# Allegro board 038NC-GRIFFI-V9A_16.brd (continued)
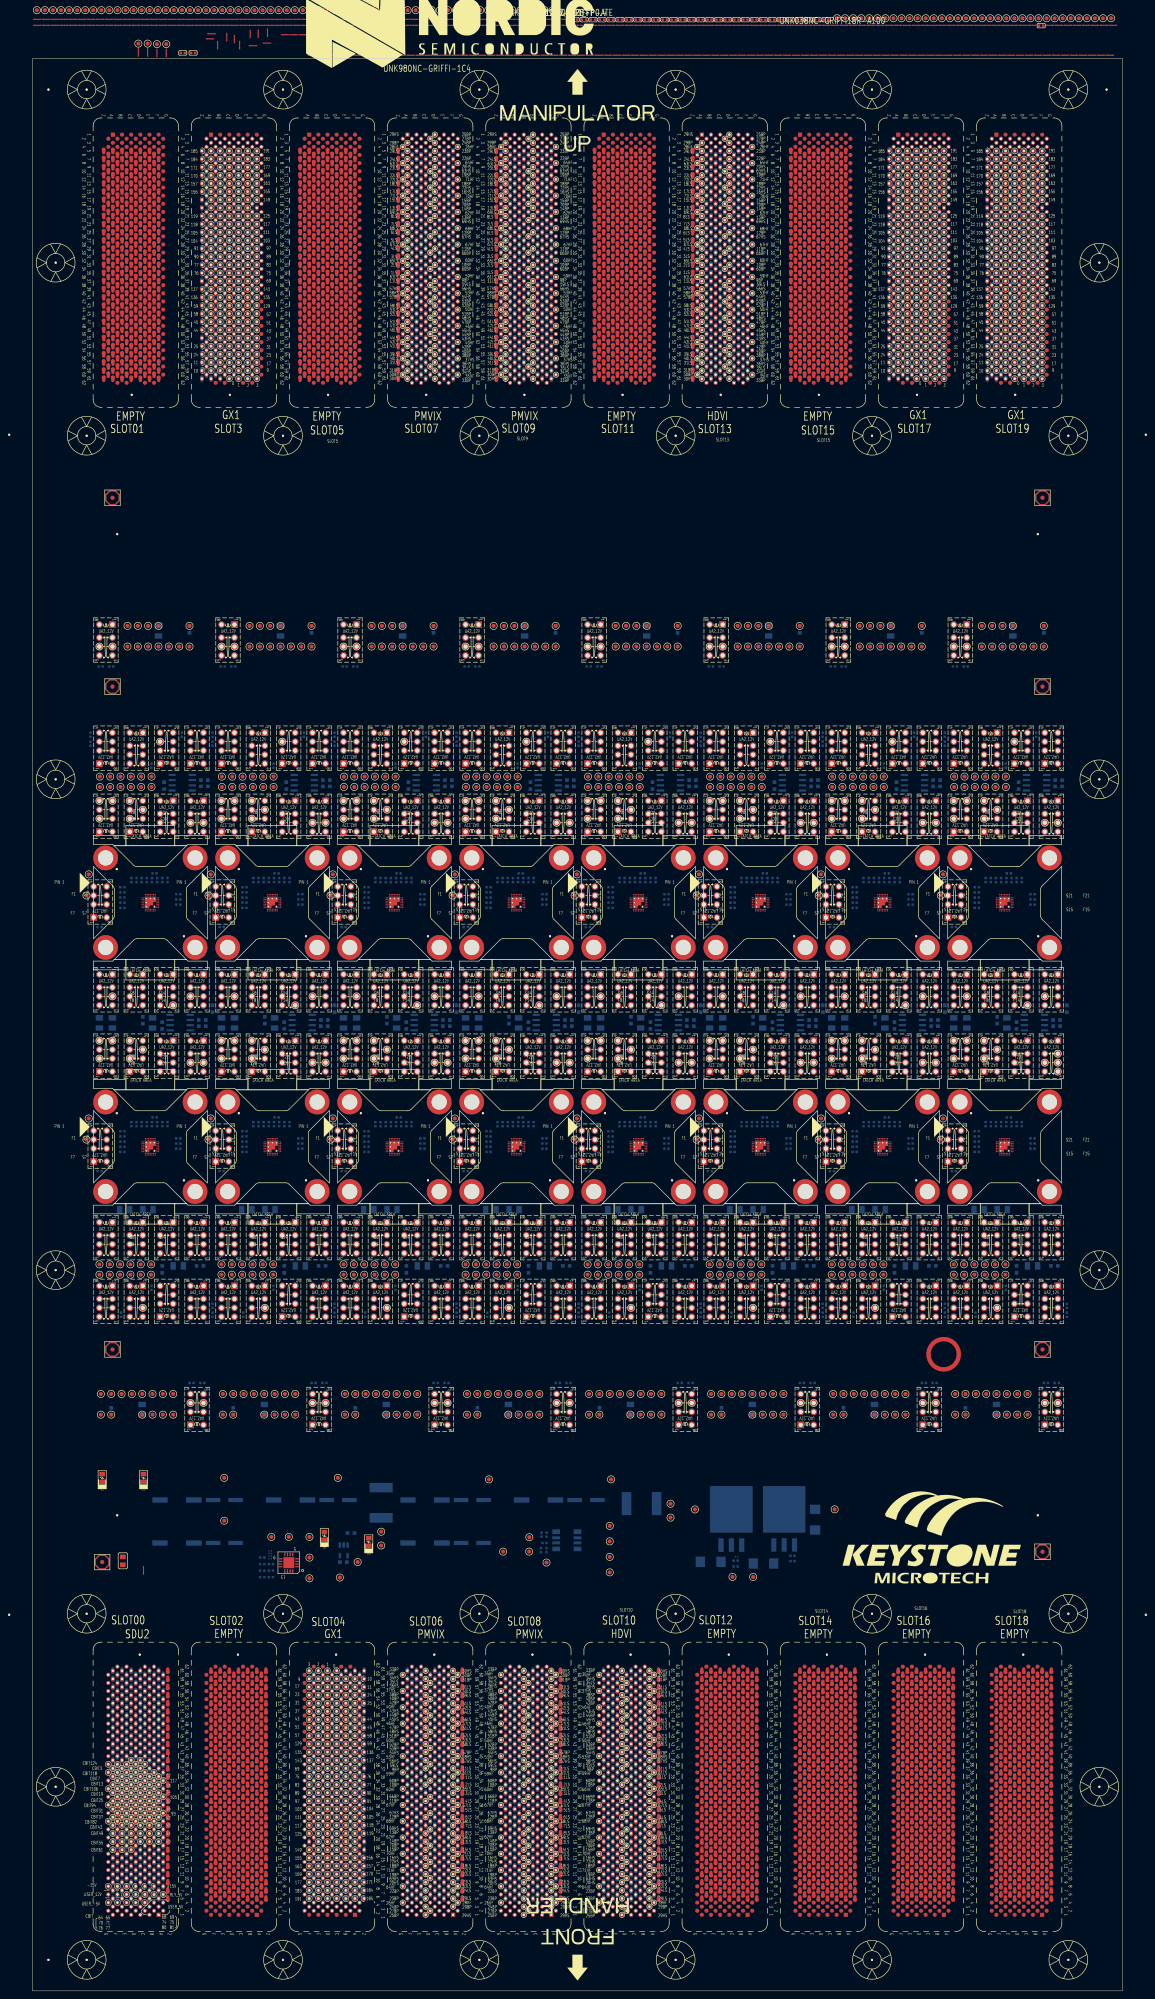
[diagram p0: board, top side]
## Nets (continued)
DGND: BD1.1 BD2.1 BR1.2 BR3.2 BR4.2 C14.1 C84.2 C85.2 C86.2 C87.2 C88.2 C89.2 C90.2 C99.2 C100.2 C101.2 C103.2 R378.2 R382.2 SITE1.EPAD1(AVSS[01]) SITE1.F3(AVSS_F[01]) SITE1.F24(PVSS_F) SITE1.G1 SITE1.G2 SITE1.G3 SITE1.G4 SITE1.G5 SITE2.EPAD1(AVSS[01]) SITE2.F3(AVSS_F[01]) SITE2.F24(PVSS_F) SITE2.G1 SITE2.G2 SITE2.G3 SITE2.G4 SITE2.G5 SITE3.EPAD1(AVSS[01]) SITE3.F3(AVSS_F[01]) SITE3.F24(PVSS_F) SITE3.G1 SITE3.G2 SITE3.G3 SITE3.G4 SITE3.G5 SITE4.EPAD1(AVSS[01]) SITE4.F3(AVSS_F[01]) SITE4.F24(PVSS_F) SITE4.G1 SITE4.G2 SITE4.G3 SITE4.G4 SITE4.G5 SITE5.EPAD1(AVSS[01]) SITE5.F3(AVSS_F[01]) SITE5.F24(PVSS_F) SITE5.G1 SITE5.G2 SITE5.G3 SITE5.G4 SITE5.G5 SITE6.EPAD1(AVSS[01]) SITE6.F3(AVSS_F[01]) SITE6.F24(PVSS_F) SITE6.G1 SITE6.G2 SITE6.G3 SITE6.G4 SITE6.G5 SITE7.EPAD1(AVSS[01]) SITE7.F3(AVSS_F[01]) SITE7.F24(PVSS_F) SITE7.G1 SITE7.G2 SITE7.G3 SITE7.G4 SITE7.G5 SITE8.EPAD1(AVSS[01]) SITE8.F3(AVSS_F[01]) SITE8.F24(PVSS_F) SITE8.G1 SITE8.G2 SITE8.G3 SITE8.G4 SITE8.G5 SITE9.EPAD1(AVSS[01]) SITE9.F3(AVSS_F[01]) SITE9.F24(PVSS_F) SITE9.G1 SITE9.G2 SITE9.G3 SITE9.G4 SITE9.G5 SITE10.EPAD1(AVSS[01]) SITE10.F3(AVSS_F[01]) SITE10.F24(PVSS_F) SITE10.G1 SITE10.G2 SITE10.G3 SITE10.G4 SITE10.G5 SITE11.EPAD1(AVSS[01]) SITE11.F3(AVSS_F[01]) SITE11.F24(PVSS_F) SITE11.G1 SITE11.G2 SITE11.G3 SITE11.G4 SITE11.G5 SITE12.EPAD1(AVSS[01]) SITE12.F3(AVSS_F[01]) SITE12.F24(PVSS_F) SITE12.G1 SITE12.G2 SITE12.G3 SITE12.G4 SITE12.G5 SITE13.EPAD1(AVSS[01]) SITE13.F3(AVSS_F[01]) SITE13.F24(PVSS_F) SITE13.G1 SITE13.G2 SITE13.G3 SITE13.G4 SITE13.G5 SITE14.EPAD1(AVSS[01]) SITE14.F3(AVSS_F[01]) SITE14.F24(PVSS_F) SITE14.G1 SITE14.G2 SITE14.G3 SITE14.G4 SITE14.G5 SITE15.EPAD1(AVSS[01]) SITE15.F3(AVSS_F[01]) SITE15.F24(PVSS_F) SITE15.G1 SITE15.G2 SITE15.G3 SITE15.G4 SITE15.G5 SITE16.EPAD1(AVSS[01]) SITE16.F3(AVSS_F[01]) SITE16.F24(PVSS_F) SITE16.G1 SITE16.G2 SITE16.G3 SITE16.G4 SITE16.G5 SLOT0.A9 SLOT0.A10 SLOT0.A11 SLOT0.A12 SLOT0.A13 SLOT0.A14 SLOT0.A15 SLOT0.A17 SLOT0.A38 SLOT0.A42 SLOT0.A44 SLOT0.A46 SLOT0.A50 SLOT0.A52 SLOT0.A53 SLOT0.A54 SLOT0.A56 SLOT0.A57 SLOT0.A58 SLOT0.A60 SLOT0.A61 SLOT0.B9 SLOT0.B11 SLOT0.B13 SLOT0.B15 SLOT0.B17 SLOT0.B38 SLOT0.B42 SLOT0.B44 SLOT0.B46 SLOT0.B48 SLOT0.B50 SLOT0.B51 SLOT0.B52 SLOT0.B54 SLOT0.B55 SLOT0.B56 SLOT0.B58 SLOT0.B59 SLOT0.B60 SLOT0.B62 SLOT0.C9 SLOT0.C11 SLOT0.C12 SLOT0.C13 SLOT0.C15 SLOT0.C17 SLOT0.C42 SLOT0.C44 SLOT0.C46 SLOT0.C48 SLOT0.C50 SLOT0.C52 SLOT0.C53 SLOT0.C54 SLOT0.C56 SLOT0.C57 SLOT0.C58 SLOT0.C60 SLOT0.C61 SLOT0.C62 SLOT0.D9 SLOT0.D10 SLOT0.D11 SLOT0.D13 SLOT0.D14 SLOT0.D15 SLOT0.D42 SLOT0.D44 SLOT0.D46 SLOT0.D48 SLOT0.D50 SLOT0.D51 SLOT0.D52 SLOT0.D54 SLOT0.D55 SLOT0.D56 SLOT0.D58 SLOT0.D59 SLOT0.D60 SLOT0.E9 SLOT0.E11 SLOT0.E12 SLOT0.E13 SLOT0.E15 SLOT0.E42 SLOT0.E44 SLOT0.E46 SLOT0.E48 SLOT0.E50 SLOT0.E52 SLOT0.E53 SLOT0.E54 SLOT0.E56 SLOT0.E57 SLOT0.E58 SLOT0.E60 SLOT0.E61 SLOT0.E62 SLOT0.F9 SLOT0.F11 SLOT0.F13 SLOT0.F15 SLOT0.F42 SLOT0.F44 SLOT0.F46 SLOT0.F48 SLOT0.F50 SLOT0.F51 SLOT0.F52 SLOT0.F54 SLOT0.F55 SLOT0.F56 SLOT0.F58 SLOT0.F59 SLOT0.F60 SLOT0.F62 SLOT0.G10 SLOT0.G12 SLOT0.G42 SLOT0.G44 SLOT0.G46 SLOT0.G50 SLOT0.G52 SLOT0.G54 SLOT0.G56 SLOT0.G58 SLOT0.G60 SLOT3.A6 SLOT3.A8 SLOT3.A10 SLOT3.A12 SLOT3.A14 SLOT3.A16 SLOT3.A18 SLOT3.A20 SLOT3.A22 SLOT3.A24 SLOT3.A26 SLOT3.A28 SLOT3.A30 SLOT3.A32 SLOT3.A34 SLOT3.A36 SLOT3.A38 SLOT3.A40 SLOT3.A42 SLOT3.A44 SLOT3.A46 SLOT3.A48 SLOT3.A50 SLOT3.A52 SLOT3.A54 SLOT3.A56 SLOT3.A58 SLOT3.A60 SLOT3.B6 SLOT3.B8 SLOT3.B10 SLOT3.B12 SLOT3.B14 SLOT3.B16 SLOT3.B18 SLOT3.B20 SLOT3.B22 SLOT3.B24 SLOT3.B26 SLOT3.B28 SLOT3.B30 SLOT3.B32 SLOT3.B34 SLOT3.B36 SLOT3.B38 SLOT3.B40 SLOT3.B42 SLOT3.B44 SLOT3.B46 SLOT3.B48 SLOT3.B50 SLOT3.B52 SLOT3.B54 SLOT3.B56 SLOT3.B58 SLOT3.B60 SLOT3.C6 SLOT3.C8 SLOT3.C10 SLOT3.C12 SLOT3.C14 SLOT3.C16 SLOT3.C18 SLOT3.C20 SLOT3.C22 SLOT3.C24 SLOT3.C26 SLOT3.C28 SLOT3.C30 SLOT3.C32 SLOT3.C34 SLOT3.C36 SLOT3.C38 SLOT3.C40 SLOT3.C42 SLOT3.C44 SLOT3.C46 SLOT3.C48 SLOT3.C50 SLOT3.C52 SLOT3.C54 SLOT3.C56 SLOT3.C58 SLOT3.C60 SLOT3.D6 SLOT3.D8 SLOT3.D10 SLOT3.D12 SLOT3.D14 SLOT3.D16 SLOT3.D18 SLOT3.D20 SLOT3.D22 SLOT3.D24 SLOT3.D26 SLOT3.D28 SLOT3.D30 SLOT3.D32 SLOT3.D34 SLOT3.D36 SLOT3.D38 SLOT3.D40 SLOT3.D42 SLOT3.D44 SLOT3.D46 SLOT3.D48 SLOT3.D50 SLOT3.D52 SLOT3.D54 SLOT3.D56 SLOT3.D58 SLOT3.D60 SLOT3.E6 SLOT3.E8 SLOT3.E10 SLOT3.E12 SLOT3.E14 SLOT3.E16 SLOT3.E18 SLOT3.E20 SLOT3.E22 SLOT3.E24 SLOT3.E26 SLOT3.E28 SLOT3.E30 SLOT3.E32 SLOT3.E34 SLOT3.E36 SLOT3.E38 SLOT3.E40 SLOT3.E42 SLOT3.E44 SLOT3.E46 SLOT3.E48 SLOT3.E50 SLOT3.E52 SLOT3.E54 SLOT3.E56 SLOT3.E58 SLOT3.E60 SLOT3.F6 SLOT3.F8 SLOT3.F10 SLOT3.F12 SLOT3.F14 SLOT3.F16 SLOT3.F18 SLOT3.F20 SLOT3.F22 SLOT3.F24 SLOT3.F26 SLOT3.F28 SLOT3.F30 SLOT3.F32 SLOT3.F34 SLOT3.F36 SLOT3.F38 SLOT3.F40 SLOT3.F42 SLOT3.F44 SLOT3.F46 SLOT3.F48 SLOT3.F50 SLOT3.F52 SLOT3.F54 SLOT3.F56 SLOT3.F58 SLOT3.F60 SLOT4.A6 SLOT4.A8 SLOT4.A10 SLOT4.A12 SLOT4.A14 SLOT4.A16 SLOT4.A18 SLOT4.A20 SLOT4.A22 SLOT4.A24 SLOT4.A26 SLOT4.A28 SLOT4.A30 SLOT4.A32 SLOT4.A34 SLOT4.A36 SLOT4.A38 SLOT4.A40 SLOT4.A42 SLOT4.A44 SLOT4.A46 SLOT4.A48 SLOT4.A50 SLOT4.A52 SLOT4.A54 SLOT4.A56 SLOT4.A58 SLOT4.A60 SLOT4.B6 SLOT4.B8 SLOT4.B10 SLOT4.B12 SLOT4.B14 SLOT4.B16 SLOT4.B18 SLOT4.B20 SLOT4.B22 SLOT4.B24 SLOT4.B26 SLOT4.B28 SLOT4.B30 SLOT4.B32 SLOT4.B34 SLOT4.B36 SLOT4.B38 SLOT4.B40 SLOT4.B42 SLOT4.B44 SLOT4.B46 SLOT4.B48 SLOT4.B50 SLOT4.B52 SLOT4.B54 SLOT4.B56 SLOT4.B58 SLOT4.B60 SLOT4.C6 SLOT4.C8 SLOT4.C10 SLOT4.C12 SLOT4.C14 SLOT4.C16 SLOT4.C18 SLOT4.C20 SLOT4.C22 SLOT4.C24 SLOT4.C26 SLOT4.C28 SLOT4.C30 SLOT4.C32 SLOT4.C34 SLOT4.C36 SLOT4.C38 SLOT4.C40 SLOT4.C42 SLOT4.C44 SLOT4.C46 SLOT4.C48 SLOT4.C50 SLOT4.C52 SLOT4.C54 SLOT4.C56 SLOT4.C58 SLOT4.C60 SLOT4.D6 SLOT4.D8 SLOT4.D10 SLOT4.D12 SLOT4.D14 SLOT4.D16 SLOT4.D18 SLOT4.D20 SLOT4.D22 SLOT4.D24 SLOT4.D26 SLOT4.D28 SLOT4.D30 SLOT4.D32 SLOT4.D34 SLOT4.D36 SLOT4.D38 SLOT4.D40 SLOT4.D42 SLOT4.D44 SLOT4.D46 SLOT4.D48 SLOT4.D50 SLOT4.D52 SLOT4.D54 SLOT4.D56 SLOT4.D58 SLOT4.D60 SLOT4.E6 SLOT4.E8 SLOT4.E10 SLOT4.E12 SLOT4.E14 SLOT4.E16 SLOT4.E18 SLOT4.E20 SLOT4.E22 SLOT4.E24 SLOT4.E26 SLOT4.E28 SLOT4.E30 SLOT4.E32 SLOT4.E34 SLOT4.E36 SLOT4.E38 SLOT4.E40 SLOT4.E42 SLOT4.E44 SLOT4.E46 SLOT4.E48 SLOT4.E50 SLOT4.E52 SLOT4.E54 SLOT4.E56 SLOT4.E58 SLOT4.E60 SLOT4.F6 SLOT4.F8 SLOT4.F10 SLOT4.F12 SLOT4.F14 SLOT4.F16 SLOT4.F18 SLOT4.F20 SLOT4.F22 SLOT4.F24 SLOT4.F26 SLOT4.F28 SLOT4.F30 SLOT4.F32 SLOT4.F34 SLOT4.F36 SLOT4.F38 SLOT4.F40 SLOT4.F42 SLOT4.F44 SLOT4.F46 SLOT4.F48 SLOT4.F50 SLOT4.F52 SLOT4.F54 SLOT4.F56 SLOT4.F58 SLOT4.F60 SLOT6.A2 SLOT6.A6 SLOT6.A10 SLOT6.A14 SLOT6.A18 SLOT6.A22 SLOT6.A26 SLOT6.A30 SLOT6.A34 SLOT6.A38 SLOT6.A42 SLOT6.A46 SLOT6.A50 SLOT6.A54 SLOT6.A58 SLOT6.B4 SLOT6.B8 SLOT6.B12 SLOT6.B16 SLOT6.B20 SLOT6.B24 SLOT6.B28 SLOT6.B32 SLOT6.B36 SLOT6.B40 SLOT6.B44 SLOT6.B48 SLOT6.B52 SLOT6.B56 SLOT6.B60 SLOT6.C2 SLOT6.C6 SLOT6.C10 SLOT6.C14 SLOT6.C18 SLOT6.C22 SLOT6.C26 SLOT6.C30 SLOT6.C34 SLOT6.C38 SLOT6.C42 SLOT6.C46 SLOT6.C50 SLOT6.C54 SLOT6.C58 SLOT6.D4 SLOT6.D8 SLOT6.D12 SLOT6.D16 SLOT6.D20 SLOT6.D24 SLOT6.D28 SLOT6.D32 SLOT6.D36 SLOT6.D40 SLOT6.D44 SLOT6.D48 SLOT6.D52 SLOT6.D56 SLOT6.D60 SLOT6.E2 SLOT6.E6 SLOT6.E10 SLOT6.E14 SLOT6.E18 SLOT6.E22 SLOT6.E26 SLOT6.E30 SLOT6.E34 SLOT6.E38 SLOT6.E42 SLOT6.E46 SLOT6.E50 SLOT6.E54 SLOT6.E58 SLOT6.F4 SLOT6.F8 SLOT6.F12 SLOT6.F16 SLOT6.F20 SLOT6.F24 SLOT6.F28 SLOT6.F32 SLOT6.F36 SLOT6.F40 SLOT6.F44 SLOT6.F48 SLOT6.F52 SLOT6.F56 SLOT6.F60 SLOT6.G2 SLOT6.G6 SLOT6.G10 SLOT6.G14 SLOT6.G18 SLOT6.G22 SLOT6.G26 SLOT6.G30 SLOT6.G34 SLOT6.G38 SLOT6.G42 SLOT6.G46 SLOT6.G50 SLOT6.G54 SLOT6.G58 SLOT7.A2 SLOT7.A6 SLOT7.A10 SLOT7.A14 SLOT7.A18 SLOT7.A22 SLOT7.A26 SLOT7.A30 SLOT7.A34 SLOT7.A38 SLOT7.A42 SLOT7.A46 SLOT7.A50 SLOT7.A54 SLOT7.A58 SLOT7.B4 SLOT7.B8 SLOT7.B12 SLOT7.B16 SLOT7.B20 SLOT7.B24 SLOT7.B28 SLOT7.B32 SLOT7.B36 SLOT7.B40 SLOT7.B44 SLOT7.B48 SLOT7.B52 SLOT7.B56 SLOT7.B60 SLOT7.C2 SLOT7.C6 SLOT7.C10 SLOT7.C14 SLOT7.C18 SLOT7.C22 SLOT7.C26 SLOT7.C30 SLOT7.C34 SLOT7.C38 SLOT7.C42 SLOT7.C46 SLOT7.C50 SLOT7.C54 SLOT7.C58 SLOT7.D4 SLOT7.D8 SLOT7.D12 SLOT7.D16 SLOT7.D20 SLOT7.D24 SLOT7.D28 SLOT7.D32 SLOT7.D36 SLOT7.D40 SLOT7.D44 SLOT7.D48 SLOT7.D52 SLOT7.D56 SLOT7.D60 SLOT7.E2 SLOT7.E6 SLOT7.E10 SLOT7.E14 SLOT7.E18 SLOT7.E22 SLOT7.E26 SLOT7.E30 SLOT7.E34 SLOT7.E38 SLOT7.E42 SLOT7.E46 SLOT7.E50 SLOT7.E54 SLOT7.E58 SLOT7.F4 SLOT7.F8 SLOT7.F12 SLOT7.F16 SLOT7.F20 SLOT7.F24 SLOT7.F28 SLOT7.F32 SLOT7.F36 SLOT7.F40 SLOT7.F44 SLOT7.F48 SLOT7.F52 SLOT7.F56 SLOT7.F60 SLOT7.G2 SLOT7.G6 SLOT7.G10 SLOT7.G14 SLOT7.G18 SLOT7.G22 SLOT7.G26 SLOT7.G30 SLOT7.G34 SLOT7.G38 SLOT7.G42 SLOT7.G46 SLOT7.G50 SLOT7.G54 SLOT7.G58 SLOT8.A2 SLOT8.A6 SLOT8.A10 SLOT8.A14 SLOT8.A18 SLOT8.A22 SLOT8.A26 SLOT8.A30 SLOT8.A34 SLOT8.A38 SLOT8.A42 SLOT8.A46 SLOT8.A50 SLOT8.A54 SLOT8.A58 SLOT8.B4 SLOT8.B8 SLOT8.B12 SLOT8.B16 SLOT8.B20 SLOT8.B24 SLOT8.B28 SLOT8.B32 SLOT8.B36 SLOT8.B40 SLOT8.B44 SLOT8.B48 SLOT8.B52 SLOT8.B56 SLOT8.B60 SLOT8.C2 SLOT8.C6 SLOT8.C10 SLOT8.C14 SLOT8.C18 SLOT8.C22 SLOT8.C26 SLOT8.C30 SLOT8.C34 SLOT8.C38 SLOT8.C42 SLOT8.C46 SLOT8.C50 SLOT8.C54 SLOT8.C58 SLOT8.D4 SLOT8.D8 SLOT8.D12 SLOT8.D16 SLOT8.D20 SLOT8.D24 SLOT8.D28 SLOT8.D32 SLOT8.D36 SLOT8.D40 SLOT8.D44 SLOT8.D48 SLOT8.D52 SLOT8.D56 SLOT8.D60 SLOT8.E2 SLOT8.E6 SLOT8.E10 SLOT8.E14 SLOT8.E18 SLOT8.E22 SLOT8.E26 SLOT8.E30 SLOT8.E34 SLOT8.E38 SLOT8.E42 SLOT8.E46 SLOT8.E50 SLOT8.E54 SLOT8.E58 SLOT8.F4 SLOT8.F8 SLOT8.F12 SLOT8.F16 SLOT8.F20 SLOT8.F24 SLOT8.F28 SLOT8.F32 SLOT8.F36 SLOT8.F40 SLOT8.F44 SLOT8.F48 SLOT8.F52 SLOT8.F56 SLOT8.F60 SLOT8.G2 SLOT8.G6 SLOT8.G10 SLOT8.G14 SLOT8.G18 SLOT8.G22 SLOT8.G26 SLOT8.G30 SLOT8.G34 SLOT8.G38 SLOT8.G42 SLOT8.G46 SLOT8.G50 SLOT8.G54 SLOT8.G58 SLOT9.A2 SLOT9.A6 SLOT9.A10 SLOT9.A14 SLOT9.A18 SLOT9.A22 SLOT9.A26 SLOT9.A30 SLOT9.A34 SLOT9.A38 SLOT9.A42 SLOT9.A46 SLOT9.A50 SLOT9.A54 SLOT9.A58 SLOT9.B4 SLOT9.B8 SLOT9.B12 SLOT9.B16 SLOT9.B20 SLOT9.B24 SLOT9.B28 SLOT9.B32 SLOT9.B36 SLOT9.B40 SLOT9.B44 SLOT9.B48 SLOT9.B52 SLOT9.B56 SLOT9.B60 SLOT9.C2 SLOT9.C6 SLOT9.C10 SLOT9.C14 SLOT9.C18 SLOT9.C22 SLOT9.C26 SLOT9.C30 SLOT9.C34 SLOT9.C38 SLOT9.C42 SLOT9.C46 SLOT9.C50 SLOT9.C54 SLOT9.C58 SLOT9.D4 SLOT9.D8 SLOT9.D12 SLOT9.D16 SLOT9.D20 SLOT9.D24 SLOT9.D28 SLOT9.D32 SLOT9.D36 SLOT9.D40 SLOT9.D44 SLOT9.D48 SLOT9.D52 SLOT9.D56 SLOT9.D60 SLOT9.E2 SLOT9.E6 SLOT9.E10 SLOT9.E14 SLOT9.E18 SLOT9.E22 SLOT9.E26 SLOT9.E30 SLOT9.E34 SLOT9.E38 SLOT9.E42 SLOT9.E46 SLOT9.E50 SLOT9.E54 SLOT9.E58 SLOT9.F4 SLOT9.F8 SLOT9.F12 SLOT9.F16 SLOT9.F20 SLOT9.F24 SLOT9.F28 SLOT9.F32 SLOT9.F36 SLOT9.F40 SLOT9.F44 SLOT9.F48 SLOT9.F52 SLOT9.F56 SLOT9.F60 SLOT9.G2 SLOT9.G6 SLOT9.G10 SLOT9.G14 SLOT9.G18 SLOT9.G22 SLOT9.G26 SLOT9.G30 SLOT9.G34 SLOT9.G38 SLOT9.G42 SLOT9.G46 SLOT9.G50 SLOT9.G54 SLOT9.G58 SLOT10.A2 SLOT10.A6 SLOT10.A10 SLOT10.A14 SLOT10.A18 SLOT10.A22 SLOT10.A26 SLOT10.A30 SLOT10.A34 SLOT10.A38 SLOT10.A42 SLOT10.A46 SLOT10.A50 SLOT10.A54 SLOT10.A58 SLOT10.B4 SLOT10.B8 SLOT10.B12 SLOT10.B16 SLOT10.B20 SLOT10.B24 SLOT10.B28 SLOT10.B32 SLOT10.B36 SLOT10.B40 SLOT10.B44 SLOT10.B48 SLOT10.B52 SLOT10.B56 SLOT10.B60 SLOT10.C2 SLOT10.C6 SLOT10.C10 SLOT10.C14 SLOT10.C18 SLOT10.C22 SLOT10.C26 SLOT10.C30 SLOT10.C34 SLOT10.C38 SLOT10.C42 SLOT10.C46 SLOT10.C50 SLOT10.C54 SLOT10.C58 SLOT10.D4 SLOT10.D8 SLOT10.D12 SLOT10.D16 SLOT10.D20 SLOT10.D24 SLOT10.D28 SLOT10.D32 SLOT10.D36 SLOT10.D40 SLOT10.D44 SLOT10.D48 SLOT10.D52 SLOT10.D56 SLOT10.D60 SLOT10.E2 SLOT10.E6 SLOT10.E10 SLOT10.E14 SLOT10.E18 SLOT10.E22 SLOT10.E26 SLOT10.E30 SLOT10.E34 SLOT10.E38 SLOT10.E42 SLOT10.E46 SLOT10.E50 SLOT10.E54 SLOT10.E58 SLOT10.F4 SLOT10.F8 SLOT10.F12 SLOT10.F16 SLOT10.F20 SLOT10.F24 SLOT10.F28 SLOT10.F32 SLOT10.F36 SLOT10.F40 SLOT10.F44 SLOT10.F48 SLOT10.F52 SLOT10.F56 SLOT10.F60 SLOT10.G2 SLOT10.G6 SLOT10.G10 SLOT10.G14 SLOT10.G18 SLOT10.G22 SLOT10.G26 SLOT10.G30 SLOT10.G34 SLOT10.G38 SLOT10.G42 SLOT10.G46 SLOT10.G50 SLOT10.G54 SLOT10.G58 SLOT13.A2 SLOT13.A6 SLOT13.A10 SLOT13.A14 SLOT13.A18 SLOT13.A22 SLOT13.A26 SLOT13.A30 SLOT13.A34 SLOT13.A38 SLOT13.A42 SLOT13.A46 SLOT13.A50 SLOT13.A54 SLOT13.A58 SLOT13.B4 SLOT13.B8 SLOT13.B12 SLOT13.B16 SLOT13.B20 SLOT13.B24 SLOT13.B28 SLOT13.B32 SLOT13.B36 SLOT13.B40 SLOT13.B44 SLOT13.B48 SLOT13.B52 SLOT13.B56 SLOT13.B60 SLOT13.C2 SLOT13.C6 SLOT13.C10 SLOT13.C14 SLOT13.C18 SLOT13.C22 SLOT13.C26 SLOT13.C30 SLOT13.C34 SLOT13.C38 SLOT13.C42 SLOT13.C46 SLOT13.C50 SLOT13.C54 SLOT13.C58 SLOT13.D4 SLOT13.D8 SLOT13.D12 SLOT13.D16 SLOT13.D20 SLOT13.D24 SLOT13.D28 SLOT13.D32 SLOT13.D36 SLOT13.D40 SLOT13.D44 SLOT13.D48 SLOT13.D52 SLOT13.D56 SLOT13.D60 SLOT13.E2 SLOT13.E6 SLOT13.E10 SLOT13.E14 SLOT13.E18 SLOT13.E22 SLOT13.E26 SLOT13.E30 SLOT13.E34 SLOT13.E38 SLOT13.E42 SLOT13.E46 SLOT13.E50 SLOT13.E54 SLOT13.E58 SLOT13.F4 SLOT13.F8 SLOT13.F12 SLOT13.F16 SLOT13.F20 SLOT13.F24 SLOT13.F28 SLOT13.F32 SLOT13.F36 SLOT13.F40 SLOT13.F44 SLOT13.F48 SLOT13.F52 SLOT13.F56 SLOT13.F60 SLOT13.G2 SLOT13.G6 SLOT13.G10 SLOT13.G14 SLOT13.G18 SLOT13.G22 SLOT13.G26 SLOT13.G30 SLOT13.G34 SLOT13.G38 SLOT13.G42 SLOT13.G46 SLOT13.G50 SLOT13.G54 SLOT13.G58 SLOT17.A6 SLOT17.A8 SLOT17.A10 SLOT17.A12 SLOT17.A14 SLOT17.A16 SLOT17.A18 SLOT17.A20 SLOT17.A22 SLOT17.A24 SLOT17.A26 SLOT17.A28 SLOT17.A30 SLOT17.A32 SLOT17.A34 SLOT17.A36 SLOT17.A38 SLOT17.A40 SLOT17.A42 SLOT17.A44 SLOT17.A46 SLOT17.A48 SLOT17.A50 SLOT17.A52 SLOT17.A54 SLOT17.A56 SLOT17.A58 SLOT17.A60 SLOT17.B6 SLOT17.B8 SLOT17.B10 SLOT17.B12 SLOT17.B14 SLOT17.B16 SLOT17.B18 SLOT17.B20 SLOT17.B22 SLOT17.B24 SLOT17.B26 SLOT17.B28 SLOT17.B30 SLOT17.B32 SLOT17.B34 SLOT17.B36 SLOT17.B38 SLOT17.B40 SLOT17.B42 SLOT17.B44 SLOT17.B46 SLOT17.B48 SLOT17.B50 SLOT17.B52 SLOT17.B54 SLOT17.B56 SLOT17.B58 SLOT17.B60 SLOT17.C6 SLOT17.C8 SLOT17.C10 SLOT17.C12 SLOT17.C14 SLOT17.C16 SLOT17.C18 SLOT17.C20 SLOT17.C22 SLOT17.C24 SLOT17.C26 SLOT17.C28 SLOT17.C30 SLOT17.C32 SLOT17.C34 SLOT17.C36 SLOT17.C38 SLOT17.C40 SLOT17.C42 SLOT17.C44 SLOT17.C46 SLOT17.C48 SLOT17.C50 SLOT17.C52 SLOT17.C54 SLOT17.C56 SLOT17.C58 SLOT17.C60 SLOT17.D6 SLOT17.D8 SLOT17.D10 SLOT17.D12 SLOT17.D14 SLOT17.D16 SLOT17.D18 SLOT17.D20 SLOT17.D22 SLOT17.D24 SLOT17.D26 SLOT17.D28 SLOT17.D30 SLOT17.D32 SLOT17.D34 SLOT17.D36 SLOT17.D38 SLOT17.D40 SLOT17.D42 SLOT17.D44 SLOT17.D46 SLOT17.D48 SLOT17.D50 SLOT17.D52 SLOT17.D54 SLOT17.D56 SLOT17.D58 SLOT17.D60 SLOT17.E6 SLOT17.E8 SLOT17.E10 SLOT17.E12 SLOT17.E14 SLOT17.E16 SLOT17.E18 SLOT17.E20 SLOT17.E22 SLOT17.E24 SLOT17.E26 SLOT17.E28 SLOT17.E30 SLOT17.E32 SLOT17.E34 SLOT17.E36 SLOT17.E38 SLOT17.E40 SLOT17.E42 SLOT17.E44 SLOT17.E46 SLOT17.E48 SLOT17.E50 SLOT17.E52 SLOT17.E54 SLOT17.E56 SLOT17.E58 SLOT17.E60 SLOT17.F6 SLOT17.F8 SLOT17.F10 SLOT17.F12 SLOT17.F14 SLOT17.F16 SLOT17.F18 SLOT17.F20 SLOT17.F22 SLOT17.F24 SLOT17.F26 SLOT17.F28 SLOT17.F30 SLOT17.F32 SLOT17.F34 SLOT17.F36 SLOT17.F38 SLOT17.F40 SLOT17.F42 SLOT17.F44 SLOT17.F46 SLOT17.F48 SLOT17.F50 SLOT17.F52 SLOT17.F54 SLOT17.F56 SLOT17.F58 SLOT17.F60 SLOT19.A6 SLOT19.A8 SLOT19.A10 SLOT19.A12 SLOT19.A14 SLOT19.A16 SLOT19.A18 SLOT19.A20 SLOT19.A22 SLOT19.A24 SLOT19.A26 SLOT19.A28 SLOT19.A30 SLOT19.A32 SLOT19.A34 SLOT19.A36 SLOT19.A38 SLOT19.A40 SLOT19.A42 SLOT19.A44 SLOT19.A46 SLOT19.A48 SLOT19.A50 SLOT19.A52 SLOT19.A54 SLOT19.A56 SLOT19.A58 SLOT19.A60 SLOT19.B6 SLOT19.B8 SLOT19.B10 SLOT19.B12 SLOT19.B14 SLOT19.B16 SLOT19.B18 SLOT19.B20 SLOT19.B22 SLOT19.B24 SLOT19.B26 SLOT19.B28 SLOT19.B30 SLOT19.B32 SLOT19.B34 SLOT19.B36 SLOT19.B38 SLOT19.B40 SLOT19.B42 SLOT19.B44 SLOT19.B46 SLOT19.B48 SLOT19.B50 SLOT19.B52 SLOT19.B54 SLOT19.B56 SLOT19.B58 SLOT19.B60 SLOT19.C6 SLOT19.C8 SLOT19.C10 SLOT19.C12 SLOT19.C14 SLOT19.C16 SLOT19.C18 SLOT19.C20 SLOT19.C22 SLOT19.C24 SLOT19.C26 SLOT19.C28 SLOT19.C30 SLOT19.C32 SLOT19.C34 SLOT19.C36 SLOT19.C38 SLOT19.C40 SLOT19.C42 SLOT19.C44 SLOT19.C46 SLOT19.C48 SLOT19.C50 SLOT19.C52 SLOT19.C54 SLOT19.C56 SLOT19.C58 SLOT19.C60 SLOT19.D6 SLOT19.D8 SLOT19.D10 SLOT19.D12 SLOT19.D14 SLOT19.D16 SLOT19.D18 SLOT19.D20 SLOT19.D22 SLOT19.D24 SLOT19.D26 SLOT19.D28 SLOT19.D30 SLOT19.D32 SLOT19.D34 SLOT19.D36 SLOT19.D38 SLOT19.D40 SLOT19.D42 SLOT19.D44 SLOT19.D46 SLOT19.D48 SLOT19.D50 SLOT19.D52 SLOT19.D54 SLOT19.D56 SLOT19.D58 SLOT19.D60 SLOT19.E6 SLOT19.E8 SLOT19.E10 SLOT19.E12 SLOT19.E14 SLOT19.E16 SLOT19.E18 SLOT19.E20 SLOT19.E22 SLOT19.E24 SLOT19.E26 SLOT19.E28 SLOT19.E30 SLOT19.E32 SLOT19.E34 SLOT19.E36 SLOT19.E38 SLOT19.E40 SLOT19.E42 SLOT19.E44 SLOT19.E46 SLOT19.E48 SLOT19.E50 SLOT19.E52 SLOT19.E54 SLOT19.E56 SLOT19.E58 SLOT19.E60 SLOT19.F6 SLOT19.F8 SLOT19.F10 SLOT19.F12 SLOT19.F14 SLOT19.F16 SLOT19.F18 SLOT19.F20 SLOT19.F22 SLOT19.F24 SLOT19.F26 SLOT19.F28 SLOT19.F30 SLOT19.F32 SLOT19.F34 SLOT19.F36 SLOT19.F38 SLOT19.F40 SLOT19.F42 SLOT19.F44 SLOT19.F46 SLOT19.F48 SLOT19.F50 SLOT19.F52 SLOT19.F54 SLOT19.F56 SLOT19.F58 SLOT19.F60 TP_EEP_GND.1(TP) TP_EPP_SCLK_DGND1.1(TP) TP_EPP_SDA_DGND1.1(TP) TP_EPP_VCC_DGND1.1(TP) TP_REG1_P3V3.1(TP) TP_REG1_P_5V_DGND.1(TP) TP_REG1_P_10V_DGND.1(TP) TP_SDUP5V1.1(TP) TP_SDUP15V1.1(TP) TP_USER_GND1.1(TP) TP_USER_SCLK1_DGND1.1(TP) TP_USER_SDA1_DGND1.1(TP) U4.3(A0) U4.4(A1) U4.11(GND) U4.17(EP) U6.1(A0) U6.2(A1) U6.3(A2) U6.4(GND) U6.7(WP) U44.2(GND) UNK0BS1.2 UNK0BS2.2 UNK1C1.2 UNK1C2.1 UNK1C3.2 UNK1C4.1 UNK1C5.2 UNK1C6.2 UNK1C7.2 UNK1C8.2 UNK1C9.2 UNK1C12.2 UNK1CS1.2 UNK1CS4.1 UNK1CS5.1 UNK1CS19.2 UNK1CS20.2 UNK1CS21.2 UNK1CS22.2 UNK1CS23.2 UNK1CS25.2 UNK1CS26.1 UNK1CS27.1 UNK1CS28.2 UNK1R1.1 UNK1R2.2 UNK1R3.2 UNK1R42.2 UNK1RS3.1 UNK1RS4.1 UNK1U1.4 UNK2C1.2 UNK2C2.1 UNK2C3.2 UNK2C4.1 UNK2C5.2 UNK2C6.2 UNK2C7.2 UNK2C8.2 UNK2C9.2 UNK2C12.2 UNK2CS1.2 UNK2CS4.1 UNK2CS5.1 UNK2CS19.2 UNK2CS20.2 UNK2CS21.2 UNK2CS22.2 UNK2CS23.2 UNK2CS25.2 UNK2CS26.1 UNK2CS27.1 UNK2CS28.2 UNK2R1.1 UNK2R2.2 UNK2R3.2 UNK2R42.2 UNK2RS3.1 UNK2RS4.1 UNK2U1.4 UNK3C1.2 UNK3C2.1 UNK3C3.2 UNK3C4.1 UNK3C5.2 UNK3C6.2 UNK3C7.2 UNK3C8.2 UNK3C9.2 UNK3C12.2 UNK3CS1.2 UNK3CS4.1 UNK3CS5.1 UNK3CS19.2 UNK3CS20.2 UNK3CS21.2 UNK3CS22.2 UNK3CS23.2 UNK3CS25.2 UNK3CS26.1 UNK3CS27.1 UNK3CS28.2 UNK3R1.1 UNK3R2.2 UNK3R3.2 UNK3R42.2 UNK3RS3.1 UNK3RS4.1 UNK3U1.4 UNK4C1.2 UNK4C2.1 UNK4C3.2 UNK4C4.1 UNK4C5.2 UNK4C6.2 UNK4C7.2 UNK4C8.2 UNK4C9.2 UNK4C12.2 UNK4CS1.2 UNK4CS4.1 UNK4CS5.1 UNK4CS19.2 UNK4CS20.2 UNK4CS21.2 UNK4CS22.2 UNK4CS23.2 UNK4CS25.2 UNK4CS26.1 UNK4CS27.1 UNK4CS28.2 UNK4R1.1 UNK4R2.2 UNK4R3.2 UNK4R42.2 UNK4RS3.1 UNK4RS4.1 UNK4U1.4 UNK5C1.2 UNK5C2.1 UNK5C3.2 UNK5C4.1 UNK5C5.2 UNK5C6.2 UNK5C7.2 UNK5C8.2 UNK5C9.2 UNK5C12.2 UNK5CS1.2 UNK5CS4.1 UNK5CS5.1 UNK5CS19.2 UNK5CS20.2 UNK5CS21.2 UNK5CS22.2 UNK5CS23.2 UNK5CS25.2 UNK5CS26.1 UNK5CS27.1 UNK5CS28.2 UNK5R1.1 UNK5R2.2 UNK5R3.2 UNK5R42.2 UNK5RS3.1 UNK5RS4.1 UNK5U1.4 UNK6C1.2 UNK6C2.1 UNK6C3.2 UNK6C4.1 UNK6C5.2 UNK6C6.2 UNK6C7.2 UNK6C8.2 UNK6C9.2 UNK6C12.2 UNK6CS1.2 UNK6CS4.1 UNK6CS5.1 UNK6CS19.2 UNK6CS20.2 UNK6CS21.2 UNK6CS22.2 UNK6CS23.2 UNK6CS25.2 UNK6CS26.1 UNK6CS27.1 UNK6CS28.2 UNK6R1.1 UNK6R2.2 UNK6R3.2 UNK6R42.2 UNK6RS3.1 UNK6RS4.1 UNK6U1.4 UNK7C1.2 UNK7C2.1 UNK7C3.2 UNK7C4.1 UNK7C5.2 UNK7C6.2 UNK7C7.2 UNK7C8.2 UNK7C9.2 UNK7C12.2 UNK7CS1.2 UNK7CS4.1 UNK7CS5.1 UNK7CS19.2 UNK7CS20.2 UNK7CS21.2 UNK7CS22.2 UNK7CS23.2 UNK7CS25.2 UNK7CS26.1 UNK7CS27.1 UNK7CS28.2 UNK7R1.1 UNK7R2.2 UNK7R3.2 UNK7R42.2 UNK7RS3.1 UNK7RS4.1 UNK7U1.4 UNK8C1.2 UNK8C2.1 UNK8C3.2 UNK8C4.1 UNK8C5.2 UNK8C6.2 UNK8C7.2 UNK8C8.2 UNK8C9.2 UNK8C12.2 UNK8CS1.2 UNK8CS4.1 UNK8CS5.1 UNK8CS19.2 UNK8CS20.2 UNK8CS21.2 UNK8CS22.2 UNK8CS23.2 UNK8CS25.2 UNK8CS26.1 UNK8CS27.1 UNK8CS28.2 UNK8R1.1 UNK8R2.2 UNK8R3.2 UNK8R42.2 UNK8RS3.1 UNK8RS4.1 UNK8U1.4 UNK9C1.2 UNK9C2.1 UNK9C3.2 UNK9C4.1 UNK9C5.2 UNK9C6.2 UNK9C7.2 UNK9C8.2 UNK9C9.2 UNK9C12.2 UNK9CS1.2 UNK9CS4.1 UNK9CS5.1 UNK9CS19.2 UNK9CS20.2 UNK9CS21.2 UNK9CS22.2 UNK9CS23.2 UNK9CS25.2 UNK9CS26.1 UNK9CS27.1 UNK9CS28.2 UNK9R1.1 UNK9R2.2 UNK9R3.2 UNK9R42.2 UNK9RS3.1 UNK9RS4.1 UNK9U1.4 UNK10C1.2 UNK10C2.1 UNK10C3.2 UNK10C4.1 UNK10C5.2 UNK10C6.2 UNK10C7.2 UNK10C8.2 UNK10C9.2 UNK10C12.2 UNK10CS1.2 UNK10CS4.1 UNK10CS5.1 UNK10CS19.2 UNK10CS20.2 UNK10CS21.2 UNK10CS22.2 UNK10CS23.2 UNK10CS25.2 UNK10CS26.1 UNK10CS27.1 UNK10CS28.2 UNK10R1.1 UNK10R2.2 UNK10R3.2 UNK10R42.2 UNK10RS3.1 UNK10RS4.1 UNK10U1.4 UNK11C1.2 UNK11C2.1 UNK11C3.2 UNK11C4.1 UNK11C5.2 UNK11C6.2 UNK11C7.2 UNK11C8.2 UNK11C9.2 UNK11C12.2 UNK11CS1.2 UNK11CS4.1 UNK11CS5.1 UNK11CS19.2 UNK11CS20.2 UNK11CS21.2 UNK11CS22.2 UNK11CS23.2 UNK11CS25.2 UNK11CS26.1 UNK11CS27.1 UNK11CS28.2 UNK11R1.1 UNK11R2.2 UNK11R3.2 UNK11R42.2 UNK11RS3.1 UNK11RS4.1 UNK11U1.4 UNK12C1.2 UNK12C2.1 UNK12C3.2 UNK12C4.1 UNK12C5.2 UNK12C6.2 UNK12C7.2 UNK12C8.2 UNK12C9.2 UNK12C12.2 UNK12CS1.2 UNK12CS4.1 UNK12CS5.1 UNK12CS19.2 UNK12CS20.2 UNK12CS21.2 UNK12CS22.2 UNK12CS23.2 UNK12CS25.2 UNK12CS26.1 UNK12CS27.1 UNK12CS28.2 UNK12R1.1 UNK12R2.2 UNK12R3.2 UNK12R42.2 UNK12RS3.1 UNK12RS4.1 UNK12U1.4 UNK13C1.2 UNK13C2.1 UNK13C3.2 UNK13C4.1 UNK13C5.2 UNK13C6.2 UNK13C7.2 UNK13C8.2 UNK13C9.2 UNK13C12.2 UNK13CS1.2 UNK13CS4.1 UNK13CS5.1 UNK13CS19.2 UNK13CS20.2 UNK13CS21.2 UNK13CS22.2 UNK13CS23.2 UNK13CS25.2 UNK13CS26.1 UNK13CS27.1 UNK13CS28.2 UNK13R1.1 UNK13R2.2 UNK13R3.2 UNK13R42.2 UNK13RS3.1 UNK13RS4.1 UNK13U1.4 UNK14C1.2 UNK14C2.1 UNK14C3.2 UNK14C4.1 UNK14C5.2 UNK14C6.2 UNK14C7.2 UNK14C8.2 UNK14C9.2 UNK14C12.2 UNK14CS1.2 UNK14CS4.1 UNK14CS5.1 UNK14CS19.2 UNK14CS20.2 UNK14CS21.2 UNK14CS22.2 UNK14CS23.2 UNK14CS25.2 UNK14CS26.1 UNK14CS27.1 UNK14CS28.2 UNK14R1.1 UNK14R2.2 UNK14R3.2 UNK14R42.2 UNK14RS3.1 UNK14RS4.1 UNK14U1.4 UNK15C1.2 UNK15C2.1 UNK15C3.2 UNK15C4.1 UNK15C5.2 UNK15C6.2 UNK15C7.2 UNK15C8.2 UNK15C9.2 UNK15C12.2 UNK15CS1.2 UNK15CS4.1 UNK15CS5.1 UNK15CS19.2 UNK15CS20.2 UNK15CS21.2 UNK15CS22.2 UNK15CS23.2 UNK15CS25.2 UNK15CS26.1 UNK15CS27.1 UNK15CS28.2 UNK15R1.1 UNK15R2.2 UNK15R3.2 UNK15R42.2 UNK15RS3.1 UNK15RS4.1 UNK15U1.4 UNK16C1.2 UNK16C2.1 UNK16C3.2 UNK16C4.1 UNK16C5.2 UNK16C6.2 UNK16C7.2 UNK16C8.2 UNK16C9.2 UNK16C12.2 UNK16CS1.2 UNK16CS4.1 UNK16CS5.1 UNK16CS19.2 UNK16CS20.2 UNK16CS21.2 UNK16CS22.2 UNK16CS23.2 UNK16CS25.2 UNK16CS26.1 UNK16CS27.1 UNK16CS28.2 UNK16R1.1 UNK16R2.2 UNK16R3.2 UNK16R42.2 UNK16RS3.1 UNK16RS4.1 UNK16U1.4 USER_-5V1.1(A)
P5V1: C102.1 FUSE2.2 SDUP5V1.1(TP) U44.1(VIN) U44.3(EN)
P15V1: C99.1 FUSE1.2 SDUP15V1.1(TP) U46.3(IN)
AWGNH1: SLOT0.B53
AWGNH1_MARKER: SLOT0.A45
AWGNH2: SLOT0.C51
AWGNH2_MARKER: SLOT0.B45
AWGNH3: SLOT0.D53
AWGNH3_MARKER: SLOT0.F45
AWGNH4: SLOT0.E51
AWGNH4_MARKER: SLOT0.E45
AWGNH_1_2_TRIG: SLOT0.C47
AWGNH_3_4_TRIG: SLOT0.D47
CLK100_N: SLOT0.E10
CLK100_P: SLOT0.F10
CLKREF50_N: SLOT0.B10
CLKREF50_P: SLOT0.C10
DIGNH1: SLOT0.B61
DIGNH1_DC_OFFSET: SLOT0.C45
DIGNH1_TRIG: SLOT0.B49
DIGNH2: SLOT0.C59
DIGNH2_DC_OFFSET: SLOT0.A43
DIGNH2_TRIG: SLOT0.C49
DIGNH3: SLOT0.B57
DIGNH3_DC_OFFSET: SLOT0.B43
DIGNH3_TRIG: SLOT0.A47
DIGNH4: SLOT0.C55
DIGNH4_DC_OFFSET: SLOT0.C43
DIGNH4_TRIG: SLOT0.B47
DIGNH5: SLOT0.D61
DIGNH5_DC_OFFSET: SLOT0.D45
DIGNH5_TRIG: SLOT0.E49
DIGNH6: SLOT0.E59
DIGNH6_DC_OFFSET: SLOT0.F43
DIGNH6_TRIG: SLOT0.D49
DIGNH7: SLOT0.D57
DIGNH7_DC_OFFSET: SLOT0.E43
DIGNH7_TRIG: SLOT0.F47
DIGNH8: SLOT0.E55
DIGNH8_DC_OFFSET: SLOT0.D43
DIGNH8_TRIG: SLOT0.E47
GX1X_3_GND_SENSE: SLOT3.F19
GX1X_4_GND_SENSE: SLOT4.F19
GX1X_17_GND_SENSE: SLOT17.F19
GX1X_19_GND_SENSE: SLOT19.F19
GX1X_576_3-0: SLOT3.C61
GX1X_577_3-1: SLOT3.D61 UNK9K4.4
GX1X_578_3-2: SITE9.F13(GPIO4_F) SITE9.S13(GPIO4_S) SLOT3.E61 UNK9TP_GPIO4.1
GX1X_579_3-3: SITE9.F12(GPIO3_F) SITE9.S12(GPIO3_S) SLOT3.F61 UNK9TP_GPIO3.1
GX1X_580_3-4: SITE9.F11(GPIO2_F) SITE9.S11(GPIO2_S) SLOT3.A59 UNK9TP_GPIO2.1
GX1X_581_3-5: SITE9.F10(GPIO1_F) SITE9.S10(GPIO1_S) SLOT3.B59 UNK9TP_GPIO1.1
GX1X_582_3-6: SITE9.F9(GPIO0_F) SITE9.S9(GPIO0_S) SLOT3.C59 UNK9TP_GPIO0.1
GX1X_583_3-7: SLOT3.D59 UNK9K3.4
GX1X_584_3-8: SITE9.F6(EN / SHPHLD_F) SLOT3.E59 UNK9TP_SHPHLD_F.1
GX1X_585_3-9: SITE9.S6(EN / SHPHLD_S) SLOT3.F59 UNK9TP_SHPHLD_S.1
GX1X_586_3-10: SLOT3.Z59 UNK9SH36.1 UNK9TP_LSOUT1_G.1
GX1X_587_3-11: SLOT3.Z57 UNK9SH35.1 UNK9TP_LSIN1_G.1
GX1X_588_3-12: SITE9.F2(AVSS2/TST_F) SITE9.S2(AVSS2/TST_S) SLOT3.A57 UNK9TP_AVSS2/TST.1
GX1X_589_3-13: SLOT3.B57 UNK9K13.2 UNK9TP_NPG/ATB1_G.1
GX1X_590_3-14: SLOT3.C57 UNK9K14.2 UNK9TP_NCHG/ATB0_G.1
GX1X_591_3-15: SLOT3.D57 UNK9SH37.1 UNK9TP_LSIN2/NCHGEN_G.1
GX1X_592_3-16: SLOT3.E57 UNK9SH38.1 UNK9TP_LSOUT2/SUSPEND1_G.1
GX1X_593_3-17: SITE9.F18(LED0_F) SITE9.S18(LED0_S) SLOT3.F57 UNK9TP_LED0.1
GX1X_594_3-18: SITE9.F17(LED1_F) SITE9.S17(LED1_S) SLOT3.A55 UNK9TP_LED1.1
GX1X_595_3-19: SITE9.F16(LED2_F) SITE9.S16(LED2_S) SLOT3.B55 UNK9TP_LED2.1
GX1X_596_3-20: SLOT3.C55 UNK9SH40.1
GX1X_597_3-21: SLOT3.D55 UNK9SH41.1
GX1X_598_3-22: SLOT3.E55
GX1X_599_3-23: SLOT3.F55
GX1X_600_3-24: SLOT3.Z55
GX1X_601_3-25: SLOT3.Z53 UNK11K4.4
GX1X_602_3-26: SITE11.F13(GPIO4_F) SITE11.S13(GPIO4_S) SLOT3.A53 UNK11TP_GPIO4.1
GX1X_603_3-27: SITE11.F12(GPIO3_F) SITE11.S12(GPIO3_S) SLOT3.B53 UNK11TP_GPIO3.1
GX1X_604_3-28: SITE11.F11(GPIO2_F) SITE11.S11(GPIO2_S) SLOT3.C53 UNK11TP_GPIO2.1
GX1X_605_3-29: SITE11.F10(GPIO1_F) SITE11.S10(GPIO1_S) SLOT3.D53 UNK11TP_GPIO1.1
GX1X_606_3-30: SITE11.F9(GPIO0_F) SITE11.S9(GPIO0_S) SLOT3.E53 UNK11TP_GPIO0.1
GX1X_607_3-31: SLOT3.F53 UNK11K3.4
GX1X_608_3-32: SITE11.F6(EN / SHPHLD_F) SLOT3.A51 UNK11TP_SHPHLD_F.1
GX1X_609_3-33: SITE11.S6(EN / SHPHLD_S) SLOT3.B51 UNK11TP_SHPHLD_S.1
GX1X_610_3-34: SLOT3.C51 UNK11SH36.1 UNK11TP_LSOUT1_G.1
GX1X_611_3-35: SLOT3.D51 UNK11SH35.1 UNK11TP_LSIN1_G.1